# Altium PCB T1_Card.PcbDoc (part 6 of 6)
Units mil, origin at the board's own origin, x right, y up, seen from the top; angles counter-clockwise.
Board outline 3700.79 x 3582.68 mil, 6 copper layers (Layer 1, Layer 2, Layer 3, Layer 4, Layer 5, Layer 6), stack 65.8 mil thick; 365 components, 265 nets, 1177 pads, 1027 vias.
Unrouted connection lines stored in the file: 4.
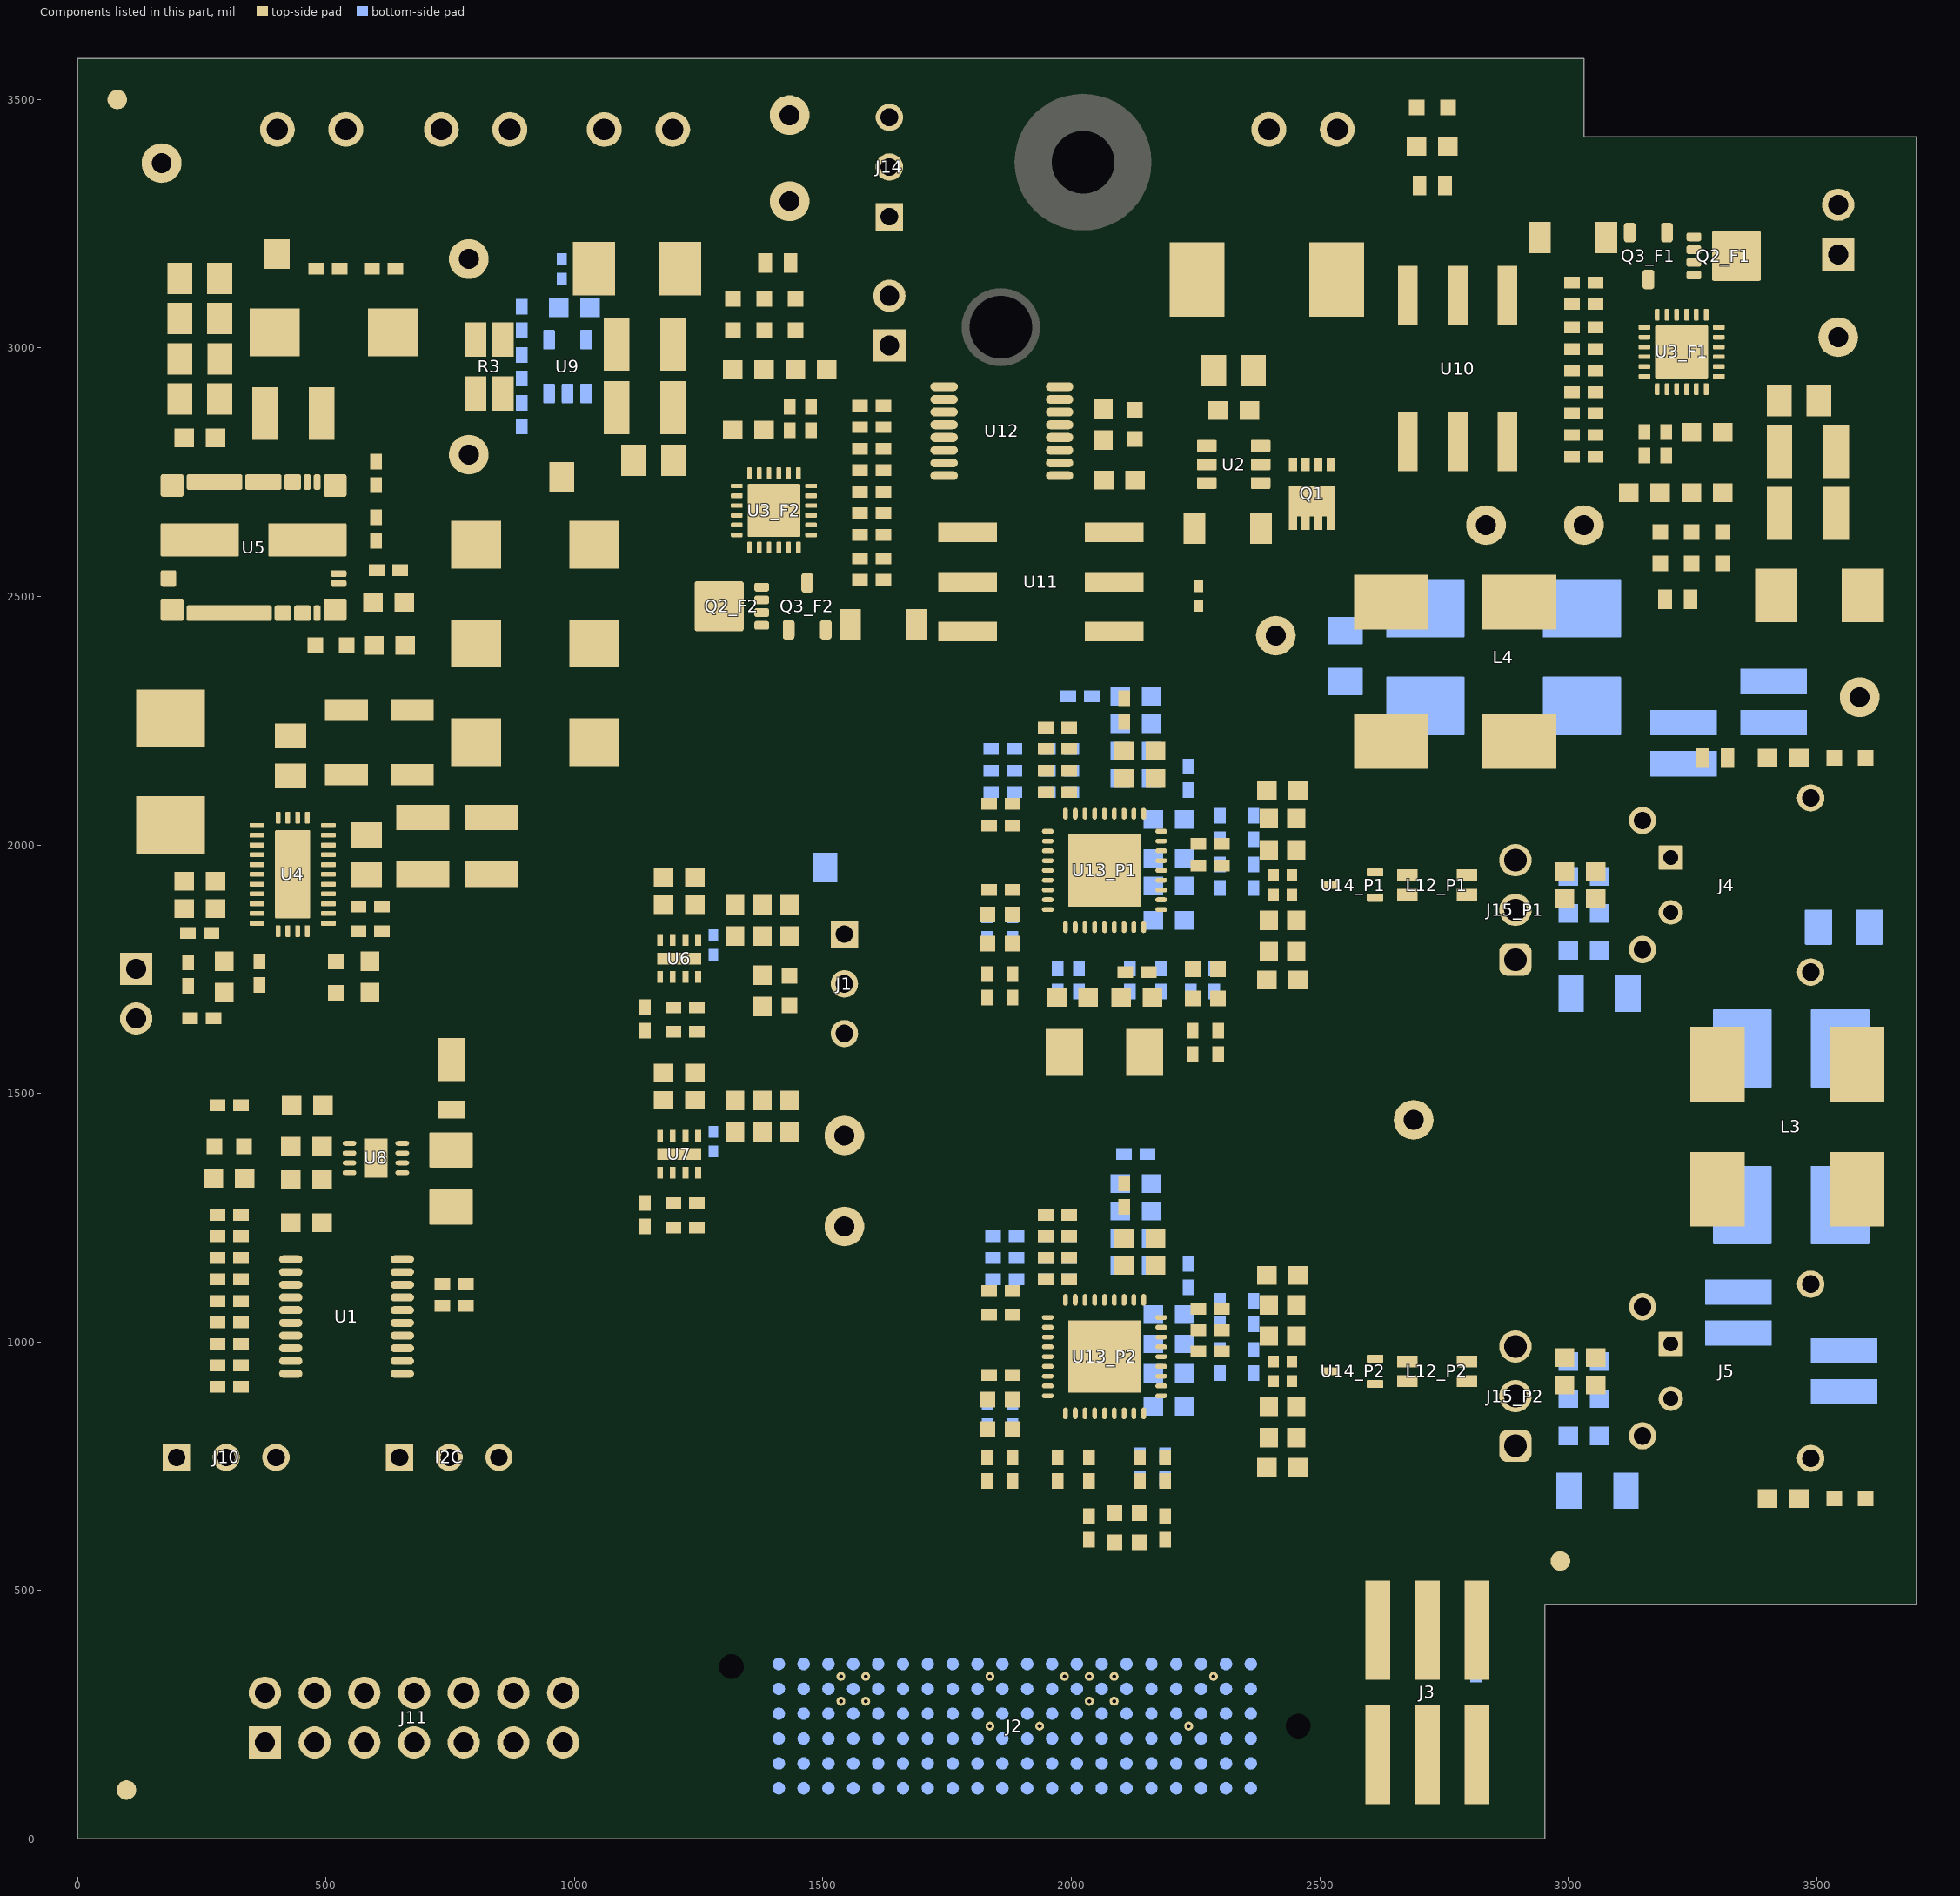
[diagram p10: the components of this part, seen from the top]

## Via types
v1: diameter 19.68, hole 7.87, Layer 1 to Layer 6, 982 vias
v2: diameter 19.68, hole 7.87, Layer 1 to Layer 6, tented both sides, 45 vias

## Nets (pads, with @x,y where several pads share a name; then routed paths per layer and width w, separated by ;. In a path a pad name is that pad's centre, name@x,y a point inside that pad or via, vN(x,y) a via of type N, cw(c..) or ccw(c..) an arc to the next point about the centre after c; other vN are vias at no path point) (continued)
pads on no net: FID1.1 FID2.1 FID3.1 J2.3 J2.6 J2.9 J2.12 J2.MH1 J2.MH2 J11.3 J11.5 J11.6 J11.8 J11.10 J11.11 J11.12 J11.13 J11.14 LBL1.0 Q2_F1.9@3304.65,3158.96 Q2_F1.9@3304.65,3211.12 Q2_F1.9@3325.89,3185.04 Q2_F1.9@3339.13,3158.96 Q2_F1.9@3339.13,3211.12 Q2_F1.9@3359.25,3146.65 Q2_F1.9@3359.25,3172.24 Q2_F1.9@3359.25,3197.83 Q2_F1.9@3359.25,3223.43 Q2_F2.9@1270.67,2441.93 Q2_F2.9@1270.67,2467.52 Q2_F2.9@1270.67,2493.11 Q2_F2.9@1270.67,2518.7 Q2_F2.9@1290.79,2454.23 Q2_F2.9@1290.79,2506.4 Q2_F2.9@1304.04,2480.31 Q2_F2.9@1325.28,2454.23 Q2_F2.9@1325.28,2506.4 U3_F1.25@3200.98,2964.76 U3_F1.25@3200.98,3019.49 U3_F1.25@3255.71,2964.76 U3_F1.25@3255.71,3019.49 U3_F2.25@1374.21,2645.87 U3_F2.25@1374.21,2700.59 U3_F2.25@1428.94,2645.87 U3_F2.25@1428.94,2700.59 U4.7 U4.11 U4.19 U4.23 U4.27 U4.31@413.39,1873.62 U4.31@413.39,1918.5 U4.31@413.39,1963.39 U4.31@413.39,2008.27 U4.31@452.76,1873.62 U4.31@452.76,1918.5 U4.31@452.76,1963.39 U4.31@452.76,2008.27 U5. U5.12 U5.13 U6.1 U7.1 U8.5 U12.9 U13_P1.17 U13_P1.18 U13_P1.19 U13_P1.20 U13_P2.17 U13_P2.18 U13_P2.19 U13_P2.20

## Polygon pours and split planes (outlines as drawn)
48V_Vin on Layer 1 "HeatSinkArea_ThermalReliefs" (solid, remove dead copper, pour order 130): 2236.22,2555.12 2531.5,2555.12 2500,2523.62 2500,2389.07 2594.49,2292.6 2594.49,2155.47 2571.67,2155.69 2376.97,2350.39 2242.13,2350.39 2236.22,2356.3
ILIM_GND on Layer 1 "HeatSinkArea_with thermal reliefs" (solid, remove dead copper, pour order 124): 2604.33,2557.09 2604.33,3277.56 2787.4,3277.56 2787.4,3253.94 2858.27,3253.94 2858.27,3165.35 2978.35,3165.35 3285.43,2858.27 3285.43,2557.09 2612.2,2557.09
ILIM_GND on Layer 1 "HeatSinkArea_with thermal reliefs" (solid, remove dead copper, pour order 123): 3679.13,2945.87 3679.13,3214.57 3673.23,3220.47 3511.81,3220.47 3511.81,3137.8 3419.29,3045.28 3175.2,3045.28 3175.2,2939.96 3176.18,2938.98 3673.23,2939.96
ILIM_GND on Layer 1 "HeatSinkArea_with thermal reliefs" (solid, remove dead copper, pour order 122): 1301.18,2559.06 1301.18,3555.12 1307.09,3561.02 1622.07,3561.02 2155.51,3561.02 2163.39,3553.15 2163.39,2606.3 2179.13,2590.55 2220.47,2590.55 2220.47,2356.3 2214.57,2350.39 1649.61,2350.39 1639.76,2360.24 1639.76,2559.06 1364.17,2559.06
ILIM_GND on Layer 1 "HeatSinkArea" (solid, remove dead copper, pour order 121): 1125.98,2726.38 1453.74,2726.38 1454.72,2725.39 1454.72,2620.08 1255.91,2620.08 1192.91,2557.09 1125.98,2557.09 1120.08,2562.99 1120.08,2720.47
NetQ2_F2_5 on Layer 1 "HeatSinkArea" (solid, remove dead copper, pour order 118): 1376.97,2610.24 1376.97,2576.77 1342.52,2542.32 1342.52,2421.26 1383.86,2379.92 1476.38,2379.92 1489.17,2367.13 1489.17,2135.83 1434.06,2080.71 1151.57,2080.71 1151.57,2368.11 1208.66,2425.2 1208.66,2466.54 1198.82,2476.38 1185.04,2476.38 1175.2,2466.54 1175.2,2448.82 1151.57,2425.2 1120.08,2425.2 1120.08,2539.37 1125.98,2545.28 1198.82,2545.28 1263.78,2610.24
48V_Vin on Layer 1 "HeatSinkArea" (solid, remove dead copper, pour order 114): 2285.43,2669.29 2307.09,2690.94 2307.09,2740.16 2587.6,2740.16 2587.6,2557.09 2537.4,2557.09 2512.23,2531.92 2236.22,2531.92 2236.22,2590.55 2285.43,2590.55
48V_Vin on Layer 1 "HeatSinkArea_ThermalReliefs" (solid, remove dead copper, pour order 113): 2236.22,2555.12 2535.43,2555.12 2512.23,2531.92 2511.24,2350.39 2242.13,2350.39 2236.22,2356.3
48V_Vin on Layer 1 "HeatSinkArea" (solid, remove dead copper, pour order 112): 2314.96,2732.28
48V_Vin on Layer 1 "HeatSinkArea" (solid, remove dead copper, pour order 111): 2314.96,2740.16
NetQ2_F1_5 on Layer 1 "HeatSinkArea" (solid, remove dead copper, pour order 109): 3410.24,3055.12 3501.97,3146.85 3501.97,3232.28 3673.23,3232.28 3679.13,3238.19 3679.13,3582.68 2807.09,3582.68 2807.09,3267.72 3204.72,3267.72 3224.41,3248.03 3279.53,3248.03 3287.4,3240.16 3287.4,3123.03 3252.95,3088.58 3252.95,3055.12
no net on Layer 1 "LAYER_1_NONET_P090" (solid, remove dead copper, pour order 90): 2945.35,2519.7
GND on Layer 2 "LAYER_2_GND_P120" (solid, remove dead copper, pour order 120): 1100.39,2724.41 1106.3,2730.31 1106.3,3203.74 1257.85,3355.29 1257.85,3555.14 1251.97,3561.02 27.56,3561.02 21.65,3555.14 21.65,2368.11 27.56,2362.2 100.39,2362.2 106.25,2368.06 110.26,3185.06 122.05,3196.85 700.79,3196.85 716.54,3181.1 716.54,2730.31 722.44,2724.41 913.39,2724.41 937.01,2748.03 1011.81,2748.03 1035.43,2724.41
NetQ2_F2_5 on Layer 2 "HeatSinkArea" (solid, remove dead copper, pour order 96): 1401.57,2547.24 1502.95,2445.86 1502.95,2149.61 1434.06,2080.71 1120.08,2080.71 1120.08,2547.24
NetQ2_F1_5 on Layer 2 "HeatSinkArea" (solid, remove dead copper, pour order 100): 3423.23,3106.3 3500,3183.07 3500,3229.33 3502.95,3232.28 3673.23,3232.28 3679.13,3238.19 3679.13,3582.68 2812.99,3582.68 2812.99,3179.13 2818.9,3173.23 3226.38,3173.23 3293.31,3106.3
GND on Layer 2 "LAYER_2_GND_P119" (solid, remove dead copper, pour order 119): 1143.7,2065.94 1438.98,2065.94 1516.15,2143.12 1515.75,2481.3 1522.64,2488.19 2338.58,2488.19 2397.64,2547.24 3480.31,2547.24 3543.31,2610.23 3679.13,2610.23 3679.13,500 3673.23,494.09 3533.46,494.09 3527.56,500 3527.56,2118.11 3507.87,2137.8 3460.63,2137.8 3444.88,2122.05 2606.3,2122.05 2374.02,2354.33 1917.32,2354.33 1525.59,1962.6 1257.87,1962.6 1204.72,1909.45 1204.72,27.56 1198.82,21.65 27.56,21.65 21.65,27.56 21.65,1604.33 27.56,1610.24 192.91,1610.24 618.11,1610.24 669.29,1661.42 669.29,1811.02 720.47,1862.2 939.96,1862.2
BUCK_GND on Layer 2 "LAYER_2_BUCK_GND_P102" (solid, remove dead copper, pour order 102): 21.65,2336.61 27.56,2342.52 692.91,2342.52 716.54,2366.14 716.54,2698.82 722.44,2704.72 920.28,2704.72 944.88,2729.33 1003.94,2729.33 1028.54,2704.72 1100.39,2704.72 1106.3,2698.82 1106.3,2051.18 968.5,1913.39 937.01,1881.89 713.58,1881.89 648.62,1816.93 648.62,1668.31 610.24,1629.92 27.56,1629.92 21.65,1635.83
LMZM33603_GND on Layer 2 "LAYER_2_LMZM33603_GND_P110" (solid, remove dead copper, pour order 110): 133.86,2362.2 127.95,2368.11 127.95,3175.2 135.83,3183.07 688.98,3183.07 696.85,3175.2 696.85,2375 684.06,2362.2
AGND on Layer 2 "LAYER_2_AGND_P106" (solid, remove dead copper, pour order 106): 3496.06,500 3490.16,494.09 2936.02,494.09 2931.1,489.17 2931.1,27.56 2925.2,21.65 1230.32,21.65 1224.41,27.56 1224.41,1902.56 1268.7,1946.85 1537.4,1946.85 1925.2,2334.65 2366.14,2334.65 2598.43,2102.36 3488.19,2102.36 3496.06,2094.49
ILIM_GND on Layer 2 "LAYER_2_ILIM_GND_P101" (solid, remove dead copper, pour order 101): 1120.08,3200.79 1270.67,3351.38 1270.67,3555.12 1276.57,3561.02 2791.7,3561.02 2797.24,3555.12 2797.24,3173.23 2813,3157.47 3222.45,3157.47 3226.39,3153.53 3285.43,3094.49 3437.99,3094.49 3529.53,3186.02 3529.53,3220.47 3673.23,3220.47 3679.13,3214.57 3679.13,2624.02 3535.43,2624.02 3476.38,2564.96 2385.83,2564.96 2328.74,2507.87 1507.87,2507.87 1442.91,2572.83 1120.08,2572.83
ILIM_GND on Layer 6 "Layer 6-ILIM_GND" (solid, remove dead copper, pour order 126): 1037.4,2559.06 1364.17,2559.06 1503.94,2419.29 1503.94,2356.3 1509.84,2350.39 1722.44,2350.39 1728.35,2356.3 1728.35,2773.62 1756.89,2802.16 1800.2,2802.17 1856.3,2746.06 1856.3,2356.3 1862.2,2350.39 2214.57,2350.39 2220.47,2356.3 2220.47,2746.06 2228.35,2753.94 2228.35,3561.02 1622.06,3561.02 1250.98,3561.02 1245.08,3555.12 1245.08,3195.87 1180.12,3130.91 1180.12,2802.17 1108.27,2730.31 1037.4,2730.31 1033.46,2726.38 1033.46,2562.99
ILIM_GND on Layer 6 "HeatSinkArea_with thermal reliefs" (solid, remove dead copper, pour order 125): 2600.39,2555.12 3252.95,2555.12 3356.3,2451.77 3673.23,2451.77 3679.13,2457.68 3679.13,3216.54 3555.12,3216.54 3431.1,3092.52 3222.44,3092.52 3153.54,3161.42 2793.31,3161.42 2793.31,3561.02 2226.38,3561.02 2226.38,2753.94 2600.39,2753.94
NetQ2_F2_5 on Layer 6 "HeatSinkArea" (solid, remove dead copper, pour order 117): 1358.27,2547.24 1489.17,2416.34 1489.17,2135.83 1434.05,2080.71 1051.18,2080.71 1033.46,2098.43 1033.46,2543.31 1037.4,2547.24
48V_Vin on Layer 6 "HeatSinkArea_ThermalReliefs" (solid, remove dead copper, pour order 116): 2236.22,2555.12 2531.5,2555.12 2500,2523.62 2500,2389.07 2528.24,2360.24 2534.45,2360.24 2534.45,2216.54 2510.6,2216.76 2376.97,2350.39 2242.13,2350.39 2236.22,2356.3
48V_Vin on Layer 6 "HeatSinkArea" (solid, remove dead copper, pour order 115): 2236.22,2740.16 2587.6,2740.16 2587.6,2555.12 2531.5,2555.12 2508.3,2531.92 2236.22,2531.92
NetQ2_F1_5 on Layer 6 "HeatSinkArea" (solid, remove dead copper, pour order 108): 3420.28,3105.31 3503.94,3188.98 3503.94,3228.35 3673.23,3228.35 3679.13,3234.25 3679.13,3582.68 2807.09,3582.68 2807.09,3173.23 3162.4,3173.23 3230.31,3105.31
GND on Layer 6 "LAYER_6_GND_P097" (solid, remove dead copper, pour order 97): 3679.13,1928.15 3679.13,2431.1 3673.23,2437 3521.66,2437.02 3515.75,2431.1 3515.75,2156.5 3555.12,2117.13 3555.12,1969.49 3574.8,1949.8 3574.8,1928.15
AGND on Layer 6 "LAYER_6_AGND_P092" (solid, pour order 92): 2172.24,1829.72 1909.45,1829.72 1909.45,2060.04 1924.21,2074.8 2172.24,2074.8
AGND on Layer 6 "LAYER_6_AGND_P091" (solid, pour order 91): 2172.24,851.38 1909.45,851.38 1909.45,1081.69 1924.21,1096.46 2172.24,1096.46
GND on Layer 4 "LAYER_4_GND_P127" (solid, remove dead copper, pour order 127): 3679.13,1674.21 3679.13,2923.23 3673.23,2929.13 3521.65,2929.13 3515.75,2923.23 3515.75,2544.29 3515.75,2156.5 3531.5,2140.75 3531.5,1674.21
MSP_3V3 on Layer 4 "LAYER_4_MSP_3V3_P105" (solid, remove dead copper, pour order 105): 271.65,1397.64 307.09,1433.07 881.89,1433.07 909.45,1405.51 909.45,728.35 881.89,700.79 303.15,700.79 271.65,732.28
U12_3V3 on Layer 4 "LAYER_4_U12_3V3_P104" (solid, remove dead copper, pour order 104): 1700.79,2691.93 1678.15,2714.57 1678.15,3172.24 1705.71,3199.8 2130.91,3199.8 2149.61,3181.1 2149.61,2708.66 2132.87,2691.93
48V_Vin on Layer 4 "LAYER_4_48V_VIN_P103" (solid, remove dead copper, pour order 103): 815.94,1506.89 924.21,1506.89 1061.02,1643.7 1061.02,1893.7 1224.61,2057.28 1548.43,2057.28 1843.5,2352.36 2348.4,2352.36 2348.4,2380.93 2348.4,2696.85 2163.39,2696.85 2144.68,2678.15 1576.77,2678.15 1295.33,2396.71 1030.84,2396 630.91,1996.06 630.91,1506.89
48V_Vin on Layer 4 "LAYER_4_48V_VIN_P099" (solid, remove dead copper, pour order 99): 2581.36,2145.09 3106.3,2145.09 3118.11,2156.9 3118.11,3245.08 3097.44,3265.75 2996.06,3265.75 2911.42,3181.1 2427.17,3181.1 2328.74,3082.68 2328.74,2397.71 2328.74,2352.36 2374.02,2352.36
48V_VOUT1 on Layer 4 "LAYER_4_48V_VOUT1_P098" (solid, remove dead copper, pour order 98): 3300.2,1676.18 3290.35,1686.02 3290.35,2328.74 3334.65,2373.03 3334.65,2593.5 3354.33,2613.19 3454.72,2613.19 3474.41,2593.5 3474.41,2251.97 3442.91,2220.47 3442.91,1900.59 3474.41,1869.09 3474.41,1803.15 3442.91,1771.65 3442.91,1676.18
PHY_VDD on Layer 4 "LAYER_4_PHY_VDD_P094" (solid, remove dead copper, pour order 94): 1803.15,409.45 1759.84,452.76 1759.84,1516.73 1590.55,1686.02 1590.55,2000 1923.23,2332.68 2333.66,2332.68 2366.14,2300.2 2366.14,437.99 2337.6,409.45
External_3V3 on Layer 4 "LAYER_4_EXTERNAL_3V3_P093" (solid, remove dead copper, pour order 93): 2405.51,23.62 1661.42,23.62 1610.24,74.8 1610.24,1513.78 1519.68,1604.33 1519.68,1627.95 1539.37,1647.64 1607.29,1647.64 1744.09,1510.82 1744.09,271.65 1854.33,161.42 2405.51,161.42 2417.32,149.61 2417.32,35.43
GND on Layer 5 "LAYER_5_GND_P107" (solid, remove dead copper, pour order 107): 27.56,27.56 27.56,3555.12 3003.94,3555.12 3003.94,3413.39 3019.69,3397.64 3679.13,3397.64 3679.13,521.65 3657.48,500 3543.31,500 3527.56,515.75 3527.56,2118.11 3507.87,2137.79 3460.63,2137.8 3444.88,2122.05 2606.3,2122.05 2374.02,2354.33 1917.32,2354.33 1527.56,1964.57 1259.84,1964.57 1204.72,1909.45 1204.72,27.56
AGND on Layer 5 "LAYER_5_AGND_P095" (solid, remove dead copper, pour order 95): 3497.05,516.73 3480.32,500 2925.2,500 2925.2,27.56 1224.41,27.56 1224.41,1902.56 1268.7,1946.85 1537.4,1946.85 1925.2,2334.65 2366.14,2334.65 2598.43,2102.36 3497.05,2102.36
GND on Layer 3 "LAYER_3_GND_P128" (solid, remove dead copper, pour order 128): 3679.13,1674.21 3679.13,2923.23 3673.23,2929.13 3521.65,2929.13 3515.75,2923.23 3515.75,2544.29 3515.75,2156.5 3531.5,2140.75 3531.5,1674.21

## Keep-outs
Layer 2:
  lines w0.2: 2030.51,1795.28 2030.51,1791.34 2002.95,1763.78 1932.09,1763.78 1918.31,1750 1918.31,1513.78 1932.09,1500 2178.15,1500 2191.93,1513.78 2191.93,1762.8 2180.12,1774.61 2104.33,1774.61 2083.66,1795.28 2083.66,1863.19 ; 2030.51,1811.02 2030.51,1863.19
Layer 4:
  circle w0.5: c2066.93,1692.91 r16.14
Layer 5:
  circle w0.5: c2066.93,1692.91 r16.14
Keep-Out Layer:
  lines w25.59: 3700.79,472.44 3700.79,3425.2
  lines w27.56: 3700.79,472.44 2952.76,472.44 2952.76,0 0,0 0,3582.68 3031.5,3582.68 3031.5,3425.2 3700.79,3425.2
  lines w39.37: 3031.5,1338.58 3188.98,1338.58 3188.98,1574.8 3031.5,1574.8 3031.5,1338.58
  text ".Layer_Name" at 183.3,-1055.34 h60

## Other copper
Layer 1:
  rectangle net ILIM_GND: 2338.58,3009.84 2454.72,3365.16
  rectangle net NetQ2_F1_5: 3252.95,3055.12 3340.55,3080.71
  rectangle net GND: 372.05,3187.99 431.1,3194.09
  rectangle net GND: 572.83,1289.37 627.95,1446.85
  rectangle net GND: 2871.06,3187.01 2968.5,3257.87
  region net 48V_Vin: 2594.49,2292.6 2527.83,2292.6 2524.61,2289.37 2524.61,2202.76 2571.89,2155.47 2594.49,2155.47
  region net GND: 3475.39,2929.13 3673.23,2929.13 3679.15,2923.21 3678.73,2397.66 3673.23,2391.73 3521.65,2391.73 3515.75,2397.64 3515.75,2529.53 3475.39,2569.88
  region net ILIM_GND: 1454.72,2620.08 1250.98,2620.08 1250.98,2726.38 1453.74,2726.38 1454.72,2725.39
  region net 48V_Vin: 572.83,1511.81 578.74,1505.91 801.18,1505.91 807.09,1500 807.09,1449.8 1042.32,1449.8 1059.05,1466.54 1059.05,1869.09 1040.35,1887.8 758.86,1887.8 664.37,1887.8 664.37,1813.98 635.83,1785.43 635.83,1676.18 620.08,1660.43 578.74,1660.43 572.83,1654.53
  region net GND: 572.83,1479.33 578.74,1485.24 622.05,1485.24 627.95,1479.33 627.95,1239.17 625,1236.22 578.74,1236.22 572.83,1242.13
  region net 24V12Vout: 114.17,2189.96 713.58,2189.96 856.3,2189.96 856.3,2656.5 748.03,2656.5 748.03,2319.88 725.39,2297.24 279.53,2297.24 259.84,2316.93 114.17,2316.93
  region net NetC15_1: 375.98,1955.71 125,1955.71 114.17,1966.54 114.17,2102.36 268.7,2102.36 326.77,2044.29 375,2044.29 375.98,2043.31
  region net 48V_Vin: 491.14,1966.54 937.01,1966.54 940.94,1962.6 940.94,1908.46 937.01,1904.53 538.39,1904.53 527.56,1915.35 491.14,1915.35 489.17,1917.32 489.17,1964.57
  region net BUCK_GND: 942.91,2726.38 942.91,2212.6 866.14,2135.83 751.97,2135.83 719.49,2168.31 391.73,2168.31 385.83,2162.4 385.83,1851.38 388.78,1848.43 410.43,1848.42 415.35,1843.5 415.35,1786.42 388.78,1759.84 388.78,1690.94 334.65,1690.94 334.65,1639.76 480.31,1639.76 480.32,2016.73 474.41,2022.64 474.41,2041.34 470.47,2037.4 454.72,2037.4 451.77,2040.35 451.77,2069.88 454.72,2072.83 470.47,2072.83 473.43,2069.88 473.42,2022.64 479.33,2016.73 479.33,1986.22 484.25,1991.14 1046.26,1991.14 1106.3,2051.18 1106.3,2720.47 1100.39,2726.38
  region net GND: 1149.61,2737.2 1047.24,2737.2 1047.24,3105.31 1021.76,3105.31 1021.3,3213.58 1047.24,3213.58 1047.24,3395.67 1021.36,3421.55 1021.81,3455.86 1044.29,3478.35 1126.97,3478.35 1149.61,3455.71
  region net 5V_out: 331.69,2750 294.29,2787.4 243.11,2787.4 238.19,2792.32 238.19,3182.09 127.95,3182.09 127.95,2578.74 138.19,2568.5 330.31,2568.5 331.69,2569.88
  region net 24or12V_out: 416.34,2714.57 449.8,2714.57 449.8,2776.57 478.35,2805.12 537.4,2805.12 689.96,2957.68 689.96,3129.92 464.57,3129.92 464.57,2973.43 418.31,2927.17 418.31,2753.94 416.34,2751.97
  region net LMZM33603_GND: 475.39,2450.79 541.34,2450.79 541.34,2511.81 503.94,2511.81 503.94,2561.02 535.43,2561.02 541.17,2566.76 541.17,2694.88 489.17,2694.88 487.2,2696.85 487.2,2706.69 414.37,2706.69 410.43,2710.63 410.43,2751.97 408.46,2753.94 408.46,2934.06 450.79,2976.38 450.79,3182.09 253.94,3182.09 253.94,2797.24 297.24,2797.24 337.6,2756.89 337.6,2562.6 204.72,2562.6 204.72,2501.97 216.54,2501.97 228.35,2490.16 472.44,2490.16 475.39,2487.2
  region net NetR26_1: 616.14,2746.06 616.14,2639.76 553.15,2639.76 553.15,2696.85 549.21,2700.79 495.08,2700.79 495.08,2746.06
  region net 48V_Vout2: 1376.97,2736.22 1162.4,2736.22 1162.4,3090.55 1162.4,3442.91 1183.66,3464.17 1222.83,3464.17 1258.86,3428.15 1258.86,3039.37 1279.53,3018.7 1279.53,2932.09 1286.42,2925.2 1338.58,2925.2 1338.58,2866.14 1293.31,2866.14 1286.42,2859.25 1286.42,2810.04 1293.31,2803.15 1357.28,2803.15 1376.97,2783.46
  region net GND: 1714.57,2478.35 1714.57,2405.51 1645.67,2405.51 1639.76,2411.42 1639.76,2472.44 1645.67,2478.35
  region: 1640.75,2478.35
  region net 48V_Vin: 1614.17,2505.91 1488.19,2505.91 1482.28,2500 1454.72,2500 1452.76,2501.97 1357.28,2501.97 1357.28,2427.17 1408.46,2427.17 1408.46,2450.79 1416.34,2458.66 1447.83,2458.66 1455.71,2450.79 1454.72,2413.39 1463.58,2405.49 1614.15,2405.49 1622.05,2413.39 1622.05,2498.03
  region net GND: 2273.62,2602.36 2183.07,2602.36 2177.17,2608.27 2177.17,3212.6 2183.07,3218.5 2315.94,3218.5 2315.94,3033.46 2315.94,2919.29 2256.89,2919.29 2245.08,2907.48 2245.08,2781.5 2249.02,2777.56 2292.32,2777.56 2292.32,2753.94 2249.02,2753.94 2245.08,2750 2245.08,2679.13 2251.97,2672.24 2273.62,2672.24
  region: 2292.32,2791.34
  region net 48V_Supply_In: 2361.22,2791.34 2456.69,2791.34 2460.63,2787.4 2460.63,2750 2462.6,2748.03 2579.72,2748.03 2587.6,2755.91 2587.6,2926.18 2587.6,2990.16 2339.57,2990.16 2339.57,2919.29 2450.79,2919.29 2460.63,2909.45 2460.63,2818.9 2456.69,2814.96 2361.22,2814.96
  region: 2361.22,2791.34
  region net NetQ1_4: 2453.74,2779.53 2453.74,2751.97 2359.25,2751.97 2359.25,2779.53
  region: 2453.74,2779.53
  region net 48V_Vin: 3015.75,3159.45 3141.73,3159.45 3147.64,3165.35 3175.2,3165.35 3177.17,3163.39 3272.64,3163.39 3272.64,3238.19 3221.46,3238.19 3221.46,3214.57 3213.58,3206.69 3182.09,3206.69 3174.21,3214.57 3175.2,3251.97 3166.34,3259.87 3015.77,3259.87 3007.87,3251.97 3007.87,3167.32
  region net ILIM_GND: 3175.2,3045.28 3455.71,3045.28 3455.71,2938.98 3176.18,2938.98 3175.2,2939.96
  region net 48V_VOUT1: 3252.95,2929.13 3455.71,2929.13 3455.71,2568.9 3371.06,2568.9 3350.39,2589.57 3350.39,2733.27 3343.5,2740.16 3291.34,2740.16 3291.34,2799.21 3336.61,2799.21 3343.5,2806.1 3343.5,2855.31 3336.61,2862.2 3272.64,2862.2 3252.95,2881.89
  text ".Layer_Name" at 183.3,-1055.34 h60
Layer 2:
  pour cut-out: 3.94,1629.92 192.91,1629.92 192.91,1610.24 3.94,1610.24
  region net 5V_out: 331.69,2571.85 331.69,2691.93 328.74,2694.88 176.18,2694.88 173.23,2691.93 173.23,2571.85 176.38,2568.7 328.54,2568.7
  pour cut-out: 2655.51,1966.54 2663.39,1974.41 2809.06,1974.41 2816.93,1966.54 2816.93,1872.05 2809.06,1864.17 2663.47,1864.17 2655.51,1872.13
  pour cut-out: 2655.51,988.19 2663.39,996.06 2809.06,996.06 2816.93,988.19 2816.93,893.7 2809.06,885.83 2663.47,885.83 2655.51,893.78
  pour cut-out: 2030.51,1811.02 2036.63,1811.02 2036.63,1791.34 2030.51,1791.34
  text ".Layer_Name" at 183.3,-1055.34 h60
Layer 3:
  region net 48V_Vin: 583.66,1483.27 615.16,1451.77 930.12,1451.77 947.83,1469.49 947.83,1845.47 932.09,1861.22 687.01,1861.22 673.23,1847.44 673.23,1818.9 583.66,1729.33
  region net 24or12V_out: 418.31,2748.03 449.8,2748.03 449.8,2763.78 475.39,2789.37 539.37,2789.37 579.72,2829.72 579.72,3062.01 462.6,3062.01 462.6,2971.46 418.31,2927.16 418.31,2753.94
  region net 5V_out: 331.69,2750 238.19,2843.5 238.19,3181.1 127.95,3181.1 127.95,2578.74 138.19,2568.5 330.31,2568.5 331.69,2569.88
  region net LMZM33603_GND: 472.44,2490.16 535.43,2490.16 535.43,2694.88 535.43,2706.69 423.23,2706.69 410.43,2719.49 410.43,2751.97 410.43,2936.02 450.79,2976.38 450.79,3181.1 248.03,3181.1 248.03,2846.46 337.6,2756.89 337.6,2562.6 204.72,2562.6 204.72,2501.97 216.54,2490.16
  pour cut-out: 2655.51,1966.54 2663.39,1974.41 2809.06,1974.41 2816.93,1966.54 2816.93,1872.05 2809.06,1864.17 2663.47,1864.17 2655.51,1872.13